# KiCad board IO-SDR_Rev_1.0.kicad_pcb (continued)
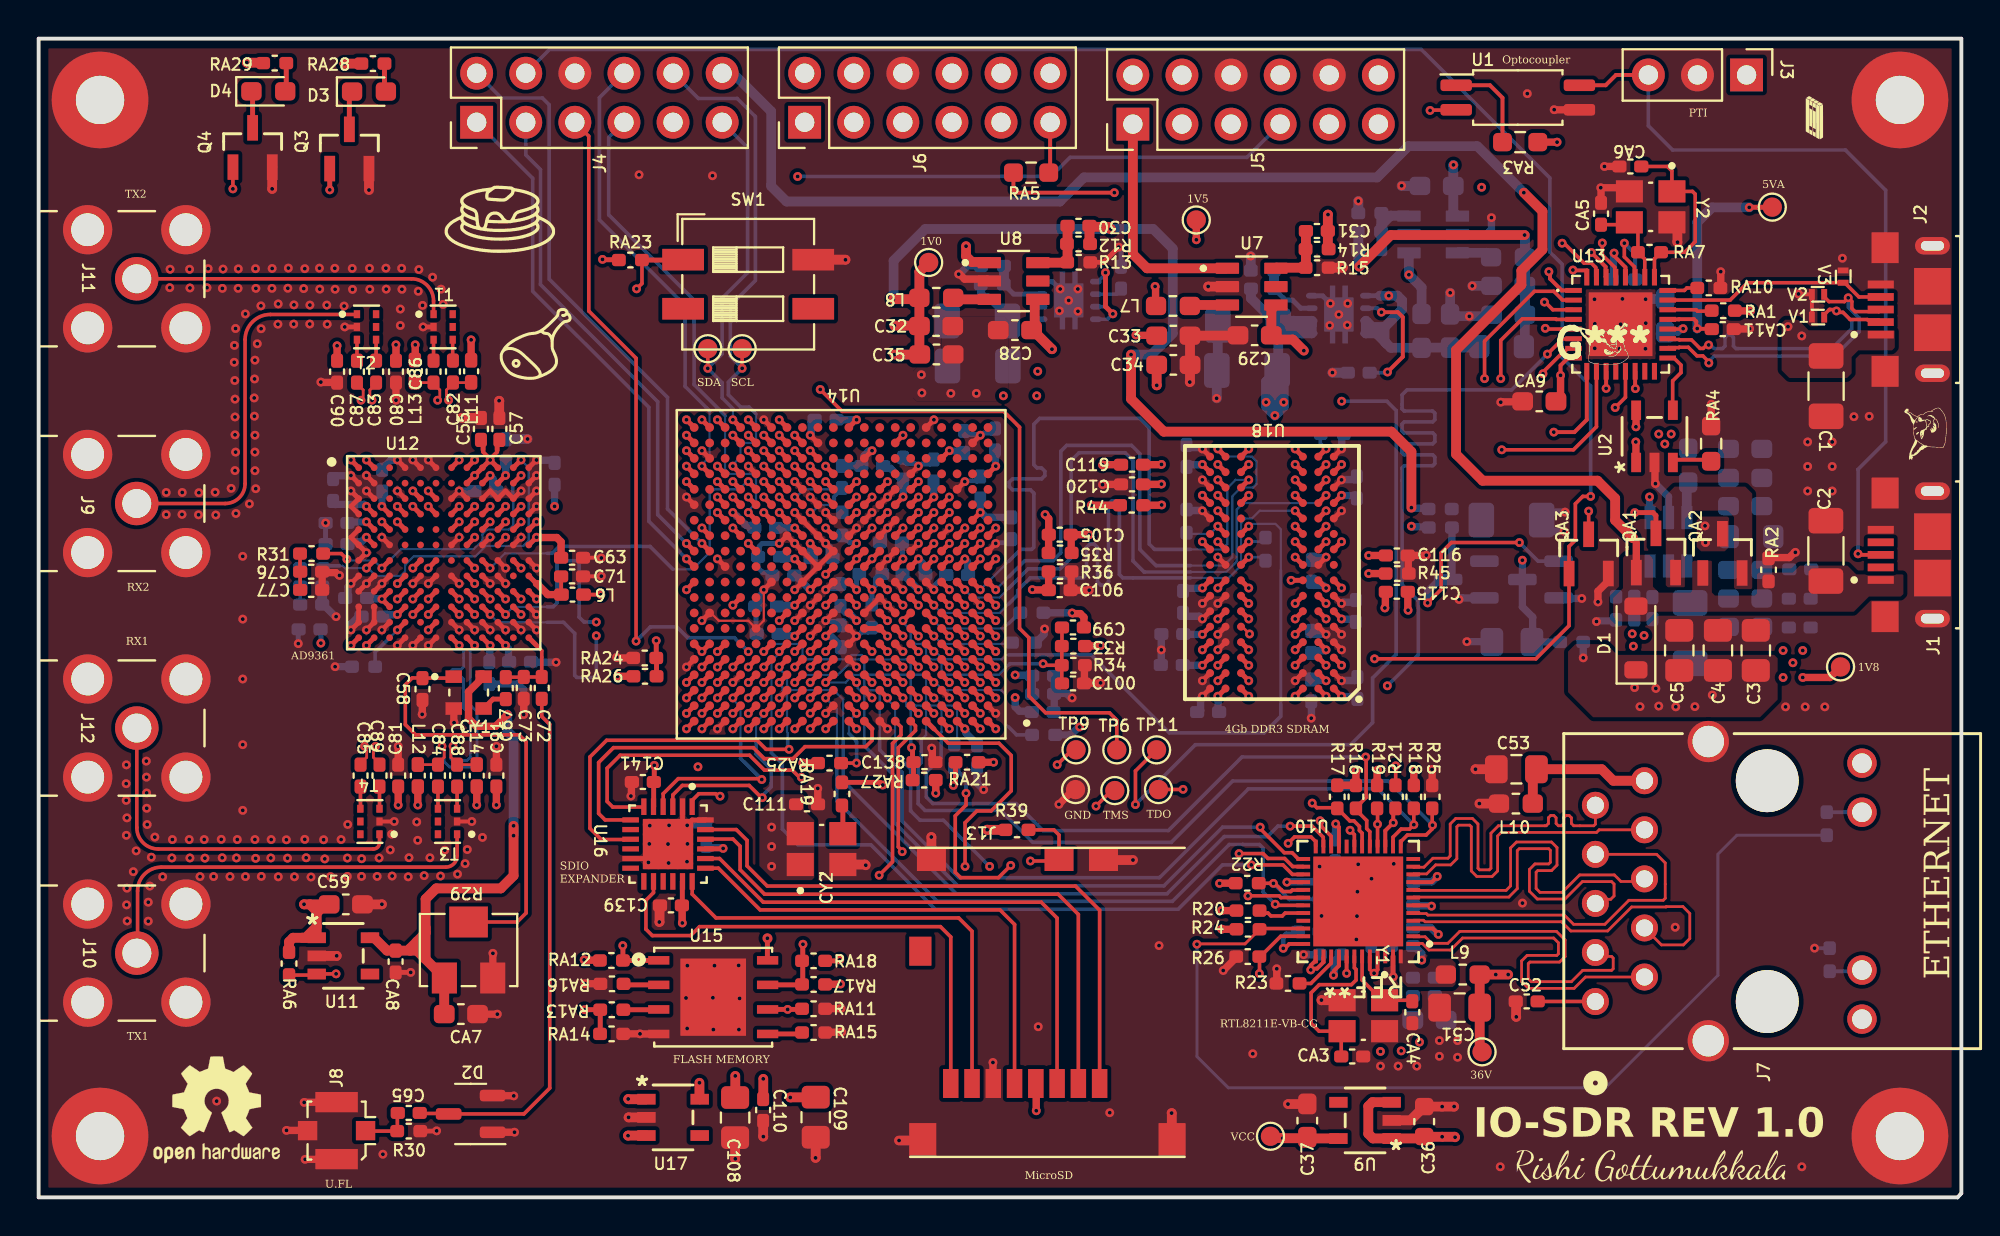
[diagram p0: board, top side]
## Routing (per net, layer and track width the routed paths; a pad name or vN(x,y) marks a point on that pad's centre or on a via; arc(x,y) is an arc through that point) (continued)
/XC7Z010/PS-DDR-CS: length 33.8
  Top.Cu w0.254: U14.N1 v1(49.51,34.65) ; U18.L2 v1(66.6,34.74)
  In5_Sig2.Cu w0.113: v1(49.51,34.65) 50.94,34.65 51.29,35 51.29,36.43 52.29,37.43 52.76,37.43 52.89,37.56 52.89,38.57 53.02,38.7 53.19,38.7 53.32,38.57 53.32,36.78 53.45,36.65 53.62,36.65 53.75,36.78 53.75,38.57 53.88,38.7 54.05,38.7 54.18,38.57 54.18,37.56 54.31,37.43 55.91,37.43 56.04,37.3 56.04,36.9 56.17,36.77 56.34,36.77 56.47,36.9 56.47,37.3 56.6,37.43 58.79,37.43 58.9,37.32 58.9,36.06 59.81,35.14 61.2,35.14 61.84,35.77 61.84,36.51 62.2,36.88 62.2,38.11 62.43,38.34 63.45,38.34 63.57,38.21 63.57,36.77 64.4,35.94 65.4,35.94 v1(66.6,34.74)
/XC7Z010/PS-DDR-ODT: length 35.8
  Top.Cu w0.254: U14.N5 v1(46.31,34.65) ; U18.K1 v1(67.4,33.94)
  In2_Sig1.Cu w0.113: v1(67.4,33.94) 67.31,33.94 66.92,33.54 66.43,33.54 66.14,33.84 66.14,38.77 66.07,38.83 65.62,38.83 65.55,38.77 65.55,36.92 65.37,36.74 59.86,36.74 59.58,37.02 59.58,39.15 59.25,39.48 49.35,39.48 48.91,39.05 48.25,39.05 46.71,37.51 46.71,36.09 46.47,35.85 46.15,35.85 45.91,35.62 45.91,35.13 46.31,34.73 v1(46.31,34.65)
/XC7Z010/PS-DDR-RAS: length 36.9
  Top.Cu w0.254: v1(65,33.14) U18.J3 ; U14.P4 v1(47.11,35.45)
  In2_Sig1.Cu w0.113: v1(47.11,35.45) 47.45,35.45 47.84,35.85 50.59,35.85 51.53,36.79 53.51,36.79 53.84,36.46 53.84,35.34 53.97,35.22 54.91,35.22 55.01,35.32 55.01,36.13 55.64,36.77 57.37,36.77 57.47,36.66 57.47,34.44 57.58,34.34 58.06,34.34 58.13,34.42 58.13,34.89 58.29,35.04 58.64,35.04 58.79,34.89 58.79,34.47 58.92,34.34 61.42,34.34 61.49,34.27 61.49,33.19 61.59,33.08 62.05,33.08 62.15,33.19 62.15,34.21 62.27,34.34 62.93,34.34 63.09,34.49 63.09,35.57 63.19,35.67 63.44,35.67 63.52,35.6 63.52,33.85 63.39,33.72 63.15,33.72 63.09,33.65 63.09,33.03 63.15,32.97 63.86,32.97 63.92,33.03 63.92,35.41 63.99,35.47 64.26,35.47 64.35,35.38 64.35,33.21 64.41,33.14 v1(65,33.14)
/XC7Z010/PS-DDR-WE: length 36.6
  Top.Cu w0.254: U14.M5 v1(46.31,33.85) ; v1(65,34.74) U18.L3
  In2_Sig1.Cu w0.113: v1(65,34.74) 65.4,34.34 65.4,33.36 66.11,32.65 67.84,32.65 67.96,32.78 67.96,34.71 68.12,34.86 69.36,34.86 69.46,34.76 69.46,31.81 69.16,31.51 68.22,31.51 67.58,32.14 65.42,32.14 64.82,32.74 56.73,32.74 56.11,33.36 50.71,33.36 49.83,34.25 46.71,34.25 v1(46.31,33.85)
/XC7Z010/XTAL111: length 1.5
  Top.Cu w0.254: CY2.3 41.6,20.24 RA19.2
CD: length 24.3
  Top.Cu w0.186: R39.2 52.52,19.02 52.78,18.76 J13.DS 52.73,17.41 v1(51.3,17.41)
  Top.Cu w0.254: v1(38.31,25.05) U14.B14
  In5_Sig2.Cu w0.113: v1(38.31,25.05) 38.31,24.97 37.91,24.57 37.91,20.89 37.91,20.89 37.91,20.8 39.61,19.1 45.05,19.1 46,18.14 50.57,18.14 v1(51.3,17.41)
CTRL_IN0: length 33.5
  Top.Cu w0.254: v1(19.35,36.57) U12.C5 ; v1(35.91,27.45) U14.E17
  In5_Sig2.Cu w0.113: v1(35.91,27.45) 35.51,27.05 35.51,26.69 35.51,26.69 35.51,26.49 35.27,26.25 34.95,26.25 34.71,26.01 34.71,25.69 34.48,25.45 34.27,25.45 34.27,25.45 33,25.45 32.51,24.96 27.6,24.96 26.36,26.2 19.63,26.2 17.36,28.47 17.36,29.53 17.12,29.77 16.79,29.77 16.56,30 16.56,35.13 16.79,35.37 17.12,35.37 17.36,35.61 17.36,35.93 17.59,36.17 18.87,36.17 19.27,36.57 v1(19.35,36.57)
CTRL_IN1: length 30.5
  Top.Cu w0.254: v1(35.11,26.65) U14.D18 ; v1(20.15,36.57) U12.C6
  In5_Sig2.Cu w0.113: v1(20.15,36.57) 20.07,36.57 19.67,36.17 19.19,36.17 18.96,35.93 18.96,35.61 18.72,35.37 18.39,35.37 18.16,35.13 18.16,34.81 17.92,34.57 17.59,34.57 17.36,34.33 17.36,30 17.59,29.77 17.92,29.77 18.16,29.53 18.16,28.23 18.43,27.95 19.83,26.56 26.43,26.56 27.62,25.36 32.23,25.36 33.11,26.25 34.63,26.25 35.03,26.65 v1(35.11,26.65)
CTRL_IN2: length 27.3
  Top.Cu w0.254: v1(35.11,27.45) U14.E18 ; v1(20.15,35.77) U12.D6
  In5_Sig2.Cu w0.113: v1(20.15,35.77) 20.55,35.37 20.55,33.53 19.76,32.73 19.76,31.61 19.52,31.37 19.19,31.37 18.96,31.13 18.96,30 19.19,29.77 19.52,29.77 19.76,29.53 19.76,28.26 20.39,27.62 26.16,27.62 26.65,27.14 26.67,27.14 27.7,26.1 31.59,26.1 33.34,27.85 34.71,27.85 v1(35.11,27.45)
CTRL_IN3: length 26.9
  Top.Cu w0.254: v1(34.31,27.45) U14.E19 ; v1(19.35,35.77) U12.D5
  In5_Sig2.Cu w0.113: v1(19.35,35.77) 19.35,35.69 18.96,35.29 18.96,34.81 18.72,34.57 18.39,34.57 18.16,34.33 18.16,30 18.39,29.77 18.72,29.77 18.96,29.53 18.96,28.22 20.33,26.85 26.55,26.85 27.61,25.78 32.04,25.78 33.3,27.05 33.84,27.05 34.24,27.45 v1(34.31,27.45)
DONE: length 80
  Top.Cu w0.186: v1(40.43,41.82) 41.57,40.69 49.92,40.69 50.74,39.87 50.74,29.45 51.22,28.97 51.22,25.95 52.09,25.08 55.39,25.08 55.77,24.7 TP6.1 55.7,23.17 ; Q4.1 10.05,53.32 v1(10.05,52.2)
  Top.Cu w0.254: v1(40.71,36.25) U14.R11
  In2_Sig1.Cu w0.113: v1(40.71,36.25) 40.31,36.65 40.31,37.21 40.07,37.45 39.75,37.45 39.51,37.69 39.51,41.32 36.95,43.88 31.3,43.88 21.86,53.32 11.22,53.32 10.1,52.2 v1(10.05,52.2)
  In5_Sig2.Cu w0.113: v1(40.71,36.25) 40.71,36.31 40.31,36.71 40.31,41.51 40.38,41.58 40.38,41.77 v1(40.43,41.82)
ETH_RXCTL: length 47.7
  Top.Cu w0.186: U10.13 70.46,18.42 70.49,18.44 70.49,18.44 70.81,18.76 71.77,18.76 72.09,19.07 R25.2
  Top.Cu w0.254: v1(39.11,26.65) U14.D13
  Bottom.Cu w0.113: 45.66,23.69 45.91,23.93 45.91,25.22 45.67,25.45 45.35,25.45 45.11,25.69 45.11,26.82 44.87,27.05 42.95,27.05 42.71,27.29 42.71,27.61 42.48,27.85 42.15,27.85 41.35,27.05 39.59,27.05 39.19,26.65 v1(39.11,26.65)
  Bottom.Cu w0.186: v1(72.1,19.27) 69.82,21.55 61.77,21.55 58.59,18.38 51.43,18.38 49.78,20.03 45.85,20.03 45.5,20.38 45.5,22.35 45.66,22.5 45.66,23.68 45.66,23.69
EXT_CLK_EN: length 135
  Top.Cu w0.186: RA6.2 14.33,11.51 U11.3 14.39,11.57 v1(15.39,11.57)
  In5_Sig2.Cu w0.113: 13.63,51.96 13.63,54.98 15.54,56.88 36.85,56.88 37.33,56.4 37.33,54.78 v1(39.26,52.84)
  In5_Sig2.Cu w0.186: 13.63,51.96 13.63,50.56 14.35,49.84 20.94,49.84 21.96,48.82 21.96,44.62 21.02,43.68 16.78,43.68 15.95,44.51 14.47,44.51 13.11,43.14 13.11,30.59 12.31,29.79 12.31,22.53 13.62,21.22 23.77,21.22 24.31,20.68 24.31,19.99 23.71,19.39 23.71,17.37 22.12,15.78 16.8,15.78 16.09,15.07 16.09,12.27 v1(15.39,11.57)
  Bottom.Cu w0.186: v1(39.26,52.84) 52.37,52.84 53.36,53.84 62.5,53.84 J5.7
FPGA-REST: length 5.1
  Top.Cu w0.254: U14.C7 v1(44.71,25.85) ; v1(45.15,23.28) 45.2,23.23 45.2,22.58 C138.1 45.26,21.64 RA27.2
  Bottom.Cu w0.113: 45.11,23.69 45.11,25.21 44.88,25.44 44.88,25.61 44.71,25.78 v1(44.71,25.85)
  Bottom.Cu w0.186: v1(45.15,23.28) 45.11,23.32 45.11,23.69
IO_02_34_AD9361_CLKOUT: length 18.8
  Top.Cu w0.254: v1(35.91,34.65) U14.N17 ; v1(20.15,30.97) U12.J6
  In5_Sig2.Cu w0.113: v1(35.91,34.65) 35.51,34.25 28.46,34.25 27.2,32.98 21.6,32.98 21.08,32.46 21.08,31.81 20.24,30.97 v1(20.15,30.97)
IO_02_34_AD9361_RST: length 19.8
  Top.Cu w0.254: v1(35.11,35.45) U14.P18 ; v1(19.35,30.17) U12.K5
  In5_Sig2.Cu w0.113: v1(35.11,35.45) 34.71,35.05 33.83,35.05 33.66,34.88 28.46,34.88 26.88,33.3 21.61,33.3 20.85,32.55 20.85,31.9 20.32,31.37 19.99,31.37 19.75,31.13 19.75,30.57 v1(19.35,30.17)
IO_L01_34_FB_CLK: length 17.1
  Top.Cu w0.254: v1(37.51,35.45) U14.P15 ; U12.F10 v1(24.15,34.17)
  In5_Sig2.Cu w0.113: v1(37.51,35.45) 37.45,35.51 37.24,35.51 36.9,35.85 36.55,35.85 36.31,36.09 36.31,36.41 36.07,36.65 35.75,36.65 35.51,36.89 35.51,37.21 35.28,37.45 34.47,37.45 33.68,36.65 28.51,36.65 27.01,35.15 26.56,35.15 25.98,34.57 24.56,34.57 v1(24.15,34.17)
IO_L01_34_RX_D0: length 29.4
  Top.Cu w0.254: v1(39.11,38.65) U14.V13 ; U12.K11 v1(24.95,30.17)
  In2_Sig1.Cu w0.113: v1(39.11,38.65) 39.11,38.57 38.71,38.17 38.71,36.89 38.47,36.65 38.15,36.65 37.91,36.41 37.91,36.09 37.67,35.85 37.35,35.85 37.11,35.61 37.11,35.29 36,34.18 35.68,34.18 34.4,32.9 34.4,32.76 34.71,32.45 34.71,32.31 34.5,32.1 34.36,32.1 33.81,32.65 33.67,32.65 33.46,32.44 33.46,32.3 33.56,32.2 33.56,32.06 33.11,31.62 33.11,30.85 32.66,30.39 28.44,30.39 28.24,30.19 28.24,29.22 28.13,29.12 26.13,29.12 25.98,28.97 23.99,28.97 23.76,29.2 23.76,29.54 23.99,29.77 26.02,29.77 26.15,29.91 26.15,30.39 25.98,30.57 25.03,30.57 24.96,30.5 24.96,30.17 v1(24.95,30.17)
IO_L01_34_RX_D1: length 29.7
  Top.Cu w0.254: 25.35,31.37 v1(25.75,30.97) ; v1(38.31,37.05) U14.T14
  In2_Sig1.Cu w0.113: v1(38.31,37.05) 38.23,37.05 37.83,36.65 37.35,36.65 37.11,36.41 37.11,36.09 36.88,35.85 36.72,35.85 36.71,35.85 35.75,35.85 35.51,35.61 35.51,35.29 35.27,35.05 34.95,35.05 34.71,34.81 34.71,33.61 34.49,33.39 34.05,33.39 33.91,33.53 33.91,34.09 33.75,34.25 33.35,34.25 33.11,34.02 33.11,33.25 33.05,33.19 32.56,33.19 32.45,33.08 32.45,32.81 32.56,32.7 32.96,32.7 33.06,32.6 33.06,32.09 32.65,31.68 32.52,31.68 32.39,31.55 32.39,31.2 32.26,31.07 32.09,31.07 31.96,31.2 31.96,31.97 31.83,32.1 31.66,32.1 31.53,31.97 31.53,30.81 31.4,30.68 31.22,30.68 31.1,30.81 31.1,31.91 30.97,32.04 30.79,32.04 30.66,31.91 30.66,30.81 30.53,30.68 30.36,30.68 30.23,30.81 30.23,31.91 30.1,32.04 29.93,32.04 29.8,31.91 29.8,31.8 29.67,31.68 28.67,31.68 28.57,31.57 28.57,31.07 28.46,30.97 27.98,30.97 27.85,31.1 27.85,31.31 27.72,31.44 27.55,31.44 27.42,31.31 27.42,30.1 27.29,29.97 27.12,29.97 26.99,30.1 26.99,30.84 26.86,30.97 v1(25.75,30.97)
IO_L02_34_RX_D2: length 26.6
  Top.Cu w0.254: U12.K10 v1(24.15,30.17) ; v1(39.11,37.85) U14.U13
  In2_Sig1.Cu w0.113: v1(39.11,37.85) 39.11,37.77 39.51,37.37 39.51,36.89 39.28,36.65 38.84,36.65 38.71,36.52 38.71,36.09 38.47,35.85 38.15,35.85 37.91,35.61 37.91,35.29 37.53,34.91 37.2,34.91 36.21,33.92 36.21,33.49 32.78,30.06 29.69,30.06 29.41,29.78 v1(28.85,29.78)
  Bottom.Cu w0.113: v1(24.15,30.17) 24.55,30.57 26.31,30.57
  Bottom.Cu w0.186: v1(28.85,29.78) 28.21,29.78 27.96,30.04 27.96,32.85 27.85,32.96 26.92,32.96 26.82,32.85 26.82,30.77 26.61,30.57 26.31,30.57
IO_L02_34_RX_D3: length 28.3
  Top.Cu w0.254: v1(39.91,37.85) U14.U12 ; U12.J11 v1(24.95,30.97)
  In5_Sig2.Cu w0.113: v1(39.91,37.85) 39.51,37.45 39.51,36.09 39.27,35.85 38.95,35.85 38.71,35.61 38.71,35.29 37.33,33.91 37.33,33.59 36.87,33.12 36.87,32.98 36.98,32.87 36.98,32.73 36.77,32.52 36.64,32.52 36.52,32.64 36.38,32.64 36.17,32.43 36.17,32.29 36.29,32.17 36.29,32.03 36.08,31.82 35.94,31.82 35.58,32.18 35.44,32.18 35.23,31.97 35.23,31.83 35.59,31.47 35.59,31.33 35.38,31.12 35.24,31.12 34.18,32.18 34.04,32.18 33.83,31.97 33.83,31.83 34.63,31.03 34.63,30.89 34.59,30.85 33.72,30.85 33.45,30.57 28.37,30.57 28.26,30.46 28.26,29.41 28.15,29.3 27.81,29.3 27.7,29.41 27.7,30.97 27.59,31.08 27.25,31.08 27.14,30.97 27.14,30.68 27.03,30.57 25.35,30.57 v1(24.95,30.97)
IO_L03_34_RX_D4: length 26.2
  Top.Cu w0.254: U12.K9 v1(23.35,30.17) ; v1(39.91,37.05) U14.T12
  In2_Sig1.Cu w0.113: v1(39.91,37.05) 39.91,36.97 39.51,36.57 39.51,36.09 39.27,35.85 38.95,35.85 38.71,35.61 38.71,35.29 36.76,33.34 36.44,33.34 32.78,29.68 29.91,29.68 29.33,29.1 28.87,29.1 v1(28.85,29.07)
  Bottom.Cu w0.113: v1(23.35,30.17) 23.76,29.77 26.31,29.77
  Bottom.Cu w0.186: 26.31,29.77 27.15,29.77 27.73,29.19 27.73,27.02 27.84,26.91 28.74,26.91 28.85,27.02 v1(28.85,29.07)
IO_L03_34_RX_D5: length 28.2
  Top.Cu w0.254: U12.J10 v1(24.15,30.97) ; U14.T10 v1(42.31,37.05)
  In5_Sig2.Cu w0.113: v1(42.31,37.05) 42.23,37.05 41.03,35.85 39.75,35.85 39.51,35.61 39.51,35.29 39.27,35.05 38.95,35.05 37.84,33.94 37.84,33.26 34.82,30.24 34.82,29.58 34.56,29.32 30.24,29.32 29.2,28.28 29.2,27.65 29.1,27.55 27.71,27.55 27.6,27.65 27.6,28.33 27.45,28.49 26.61,28.49 26.1,27.98 24.86,27.98 24.55,28.29 24.55,30.57 v1(24.15,30.97)
IO_L04_34_RX_D6: length 28.7
  Top.Cu w0.254: 22.15,30.57 v1(22.55,30.17) ; v1(40.71,37.05) U14.T11
  In2_Sig1.Cu w0.113: v1(22.55,30.17) 22.95,29.77 22.95,29.21 23.19,28.97 23.52,28.97 23.75,28.73 23.75,28.41 23.99,28.17 26.04,28.17 26.46,28.59 29.41,28.59 30.12,29.3 32.77,29.3 34.85,31.38 36.12,31.38 36.33,31.59 36.33,31.73 35.9,32.17 35.9,32.31 36.11,32.52 36.25,32.52 36.68,32.08 36.82,32.08 37.03,32.29 37.03,32.43 36.67,32.79 36.67,32.93 36.88,33.14 37.02,33.14 37.38,32.78 37.52,32.78 37.86,33.12 37.86,33.97 38.95,35.05 40.07,35.05 40.31,35.29 40.31,35.61 40.55,35.85 40.87,35.85 41.11,36.09 41.11,36.65 v1(40.71,37.05)
IO_L04_34_RX_D7: length 29.5
  Top.Cu w0.254: U12.J9 v1(23.35,30.97) ; v1(37.51,37.05) U14.T15
  In2_Sig1.Cu w0.113: 35.51,36.09 35.51,36.41 ; 35.51,36.09 35.27,35.85 34.95,35.85 34.71,35.61 34.71,35.29 34.47,35.05 33.83,35.05 32.37,33.59 32.27,33.59 32.14,33.46 32.14,32.52 32.01,32.39 31.84,32.39 31.71,32.52 31.71,33.58 31.58,33.71 31.41,33.71 31.28,33.58 31.28,32.46 31.15,32.33 30.98,32.33 30.85,32.46 30.85,33.58 30.72,33.71 30.55,33.71 30.42,33.58 30.42,32.46 30.29,32.33 30.12,32.33 29.99,32.46 29.99,33.46 29.86,33.59 28.92,33.59 28.47,33.14 28.47,32.96 28.76,32.67 28.76,32.49 28.64,32.36 28.45,32.36 28.05,32.76 27.87,32.76 27.75,32.64 27.75,32.46 28.17,32.04 28.17,31.85 28.05,31.73 27.87,31.73 27.56,32.04 27.37,32.04 26.7,31.37 24.69,31.37 24.55,31.23 24.55,30.72 24.4,30.57 23.02,30.57 22.95,30.64 22.95,30.83 23.06,30.93 23.31,30.93 v1(23.35,30.97) ; 35.51,36.09 35.51,36.41 ; 35.51,36.41 35.75,36.65 37.03,36.65 37.43,37.05 v1(37.51,37.05)
IO_L4N_TO_35: length 34.9
  Top.Cu w0.254: v1(33.51,26.65) U14.D20
  In2_Sig1.Cu w0.113: J6.3 42.16,51.3 40.84,49.97 40.84,47.28 41.79,46.33 41.79,35.1 41.36,34.67 41.36,33.86 39.95,32.45 39.13,32.45 35.73,29.05 35.73,28.31 35.28,27.85 34.95,27.85 34.71,27.62 34.71,27.29 34.47,27.05 33.99,27.05 33.59,26.65 v1(33.51,26.65)
IO_L4P_TO_35: length 37.5
  Top.Cu w0.254: v1(34.31,26.65) U14.D19
  In2_Sig1.Cu w0.113: v1(34.31,26.65) 34.39,26.65 34.79,27.05 35.27,27.05 35.51,27.29 35.51,27.62 36.08,28.19 36.08,28.99 39.21,32.12 40.01,32.12 41.65,33.75 41.65,34.55 42.15,35.05 42.47,35.05 42.71,35.29 42.71,39.55 43.5,40.35 43.5,56.85 J6.4
IO_L05_34_RX_D8: length 29.8
  Top.Cu w0.254: v1(39.91,38.65) U14.V12 ; 21.35,30.57 v1(21.75,30.17)
  In2_Sig1.Cu w0.113: v1(21.75,30.17) 21.75,30.08 22.15,29.68 22.15,29.21 22.39,28.97 22.72,28.97 22.95,28.73 22.95,28.41 23.56,27.8 26.18,27.8 26.61,28.23 29.5,28.23 29.7,28.43 30.29,28.43 30.39,28.34 32.2,28.34 34.97,31.1 36.16,31.1 38.71,33.65 38.71,34.02 38.95,34.25 39.31,34.25 39.88,34.82 40.31,34.82 40.55,35.05 40.88,35.05 41.33,35.51 41.33,37.79 40.82,38.3 40.26,38.3 v1(39.91,38.65)
IO_L05_34_RX_D9: length 29.5
  Top.Cu w0.254: 22.15,31.37 v1(22.55,30.97) ; v1(39.11,39.45) U14.W13
  In2_Sig1.Cu w0.113: v1(39.11,39.45) 38.71,39.05 37.28,39.05 37.11,38.88 37.11,38.49 37.35,38.25 37.78,38.25 37.91,38.12 37.91,37.57 37.79,37.45 35.75,37.45 35.51,37.21 35.51,36.89 35.27,36.65 34.95,36.65 32.3,34 28.7,34 26.86,32.17 25.58,32.17 25.36,31.95 24.89,31.95 24.32,31.37 22.22,31.37 22.16,31.43 22.16,31.93 21.77,32.32 20.77,32.32 20.62,32.17 20.62,31.6 21.25,30.96 21.25,30.72 21.41,30.57 22.49,30.57 22.55,30.64 v1(22.55,30.97)
IO_L06_34_RX_D10: length 27.6
  Top.Cu w0.254: 21.35,31.37 v1(21.75,30.97) ; v1(38.31,35.45) U14.P14
  In5_Sig2.Cu w0.113: v1(21.75,30.97) 22.16,31.37 27.65,31.37 27.96,31.68 29.85,31.68 29.96,31.79 29.96,32.83 30.07,32.95 30.41,32.95 30.52,32.83 30.52,30.97 30.63,30.86 30.97,30.86 31.08,30.97 31.08,32.83 31.19,32.95 31.52,32.95 31.64,32.83 31.64,30.97 31.75,30.86 32.08,30.86 32.19,30.97 32.19,31.56 32.31,31.68 32.89,31.68 33.69,32.47 35.9,32.47 37.11,33.69 37.11,34.17 38.31,35.37 v1(38.31,35.45)
IO_L06_34_RX_D11: length 27.5
  Top.Cu w0.254: 22.15,32.17 v1(22.55,31.77) ; v1(38.31,36.25) U14.R14
  In5_Sig2.Cu w0.113: v1(22.55,31.77) 22.96,32.17 27.22,32.17 28.72,33.67 32,33.67 32.1,33.56 32.1,32.27 32.28,32.09 32.76,32.09 33.04,32.37 33.04,33.31 33.18,33.45 33.91,33.45 34.05,33.31 34.05,32.82 34.12,32.75 34.54,32.75 34.64,32.86 34.64,33.57 35.02,33.95 35.39,33.95 35.55,33.78 35.55,32.95 35.62,32.88 35.93,32.88 36.19,33.13 36.19,34.15 36.32,34.29 36.32,34.79 36.58,35.05 37.67,35.05 37.91,35.29 37.91,35.62 37.68,35.85 37.28,35.85 37.11,36.02 37.11,36.57 37.19,36.65 38.24,36.65 38.31,36.58 38.31,36.26 v1(38.31,36.25)
IO_L07_34_RX_FRAME: length 24.2
  Top.Cu w0.254: v1(36.71,40.25) U14.Y16 ; 22.15,32.97 v1(22.55,32.57)
  In2_Sig1.Cu w0.113: v1(36.71,40.25) 36.68,40.28 36.68,40.56 35.88,41.36 25.7,41.36 22.96,38.62 22.96,38.01 22.72,37.77 22.39,37.77 22.15,37.53 22.15,37.21 21.92,36.97 21.59,36.97 21.36,36.73 21.36,34 21.38,33.98 21.38,33.74 v1(22.55,32.57)
IO_L7N: length 25.8
  Top.Cu w0.254: v1(33.51,33.85) U14.M20
  Bottom.Cu w0.186: v1(33.51,33.85) 32.02,35.34 32.02,41.19 25.96,47.25 25.96,53.2 25.2,53.96 J4.3
IO_L7P: length 31
  Top.Cu w0.254: v1(34.31,33.85) U14.M19
  Bottom.Cu w0.186: J4.2 23.94,56.91 26.05,56.91 26.41,56.55 26.41,47.53 32.53,41.41 32.53,35.63 v1(34.31,33.85)
IO_L08_34_CTRL_OUT0: length 27.9
  Top.Cu w0.254: v1(38.31,39.45) U14.W14 ; v1(18.55,35.77) U12.D4
  In2_Sig1.Cu w0.113: v1(18.55,35.77) 18.96,36.17 20.35,36.17 20.62,36.44 20.62,38.09 22.75,40.22 22.75,41.21 24.33,42.79 32.51,42.79 32.86,42.43 36.69,42.43 38.71,40.42 38.71,39.85 v1(38.31,39.45)
IO_L08_34_CTRL_OUT1: length 25.8
  Top.Cu w0.254: v1(38.31,40.25) U14.Y14 ; v1(18.55,34.97) U12.E4
  In2_Sig1.Cu w0.113: v1(38.31,40.25) 37.71,40.86 36.56,42 25.29,42 23.79,40.5 23.44,40.5 20.87,37.93 20.87,35.78 20.47,35.37 19.03,35.37 18.63,34.97 v1(18.55,34.97)
IO_L09_34_TX_FRAME: length 19.1
  Top.Cu w0.254: U12.G9 v1(23.35,32.57) ; v1(36.71,37.05) U14.T16
  Bottom.Cu w0.113: v1(23.35,32.57) 24.12,33.34 26.31,33.34 ; v1(36.71,37.05) 36.63,37.05 36.23,36.65 35.74,36.65 35.74,36.65 34.95,36.65 34.71,36.42 34.71,33.39 33.84,32.51 32.81,32.51
  Bottom.Cu w0.186: 32.81,32.51 31.63,33.69 26.92,33.69 26.56,33.34 26.31,33.34
IO_L9N: length 27.7
  Top.Cu w0.254: v1(33.51,33.05) U14.L20
  Bottom.Cu w0.186: J4.1 25.56,52.75 25.56,46.9 31.57,40.89 31.57,35 v1(33.51,33.05)
IO_L10_34_EN_AGC: length 26.4
  Top.Cu w0.254: v1(19.35,32.57) U12.G5 ; v1(37.51,39.45) U14.W15
  In2_Sig1.Cu w0.113: v1(37.51,39.45) 37.11,39.85 37.11,40.7 36.15,41.65 25.48,41.65 22.15,38.33 22.15,38 21.92,37.77 21.59,37.77 21.13,37.3 21.13,34.34 v1(19.35,32.57)
IO_L10P: length 19.5
  Top.Cu w0.254: v1(37.51,38.65) U14.V15
  In5_Sig2.Cu w0.113: J4.9 32.82,49.33 37.11,45.04 37.11,39.14 37.51,38.74 v1(37.51,38.65)
IO_L11_34_ENABLE: length 22
  Top.Cu w0.254: v1(20.15,32.57) U12.G6 ; v1(37.51,37.85) U14.U15
  In2_Sig1.Cu w0.113: v1(37.51,37.85) 37.43,37.85 37.03,38.25 35.75,38.25 35.51,38.01 35.51,37.69 35.27,37.45 34.89,37.45 34.23,36.79 34.23,36.41 32.11,34.29 28.38,34.29 27.09,33.01 25.6,33.01 25.36,32.77 25.36,32.41 25.12,32.17 22.32,32.17 21.92,32.57 v1(20.15,32.57)
IO_L11_34_TXNRX: length 29.4
  Top.Cu w0.254: v1(38.31,37.85) U14.U14 ; v1(18.55,31.77) U12.H4
  In5_Sig2.Cu w0.113: v1(18.55,31.77) 18.96,32.17 18.96,33.21 19.75,34 19.75,35.93 19.99,36.17 21.92,36.17 22.96,37.21 22.96,37.53 23.19,37.77 23.71,37.77 24.55,38.62 24.55,40.12 25.42,40.98 34.94,40.98 35.51,40.42 35.51,40.09 35.75,39.85 36.07,39.85 36.31,39.62 36.31,39.29 36.55,39.05 36.87,39.05 37.11,38.82 37.11,38.49 37.35,38.25 37.91,38.25 v1(38.31,37.85)
IO_L12_MRCC_34_DATA_CLK: length 13.9
  Top.Cu w0.254: U12.G11 v1(24.95,32.57) ; v1(35.11,37.85) U14.U18
  In2_Sig1.Cu w0.113: v1(35.11,37.85) 35.02,37.85 34.84,37.68 34.7,37.68 33.67,36.65 33.35,36.65 33.11,36.42 33.11,36.09 31.6,34.58 28.06,34.58 26.8,33.32 25.22,33.32 24.95,33.05 v1(24.95,32.57)
IO_L12N: length 24
  Top.Cu w0.254: v1(34.31,37.85) U14.U19
  Bottom.Cu w0.113: v1(34.31,37.85) 34.31,37.94 34.71,38.33 34.71,40.71
  Bottom.Cu w0.186: 34.71,40.71 34.56,40.86 33.44,41.98 33.44,46.17 29.01,50.6 29.01,56.92 J4.8
IO_L15_34_TX_D0: length 18.5
  Top.Cu w0.254: v1(33.51,37.05) U14.T20 ; 25.35,34.57 v1(25.75,34.97)
  In5_Sig2.Cu w0.113: v1(33.51,37.05) 32.81,37.05 32.63,37.23 32.63,38.11 32.4,38.34 31.27,38.34 31.14,38.21 31.14,37.62 31.01,37.49 30.84,37.49 30.71,37.62 30.71,38.23 30.58,38.36 30.41,38.36 30.28,38.23 30.28,37.62 30.15,37.49 29.98,37.49 29.85,37.62 29.85,38.23 29.72,38.36 29.55,38.36 29.42,38.23 29.42,37.62 29.29,37.49 29.12,37.49 28.99,37.62 28.99,38.21 28.86,38.34 28.11,38.34 25.94,36.17 24.72,36.17 24.56,36.01 24.56,35.44 24.63,35.37 25.68,35.37 25.75,35.3 25.75,34.97 v1(25.75,34.97)
IO_L15_34_TX_D1: length 20.9
  Top.Cu w0.254: v1(34.31,40.25) U14.Y19 ; U12.D11 v1(24.95,35.77)
  In2_Sig1.Cu w0.113: v1(34.31,40.25) 34.32,40.25 34.32,39.92 34.38,39.85 35.41,39.85 35.51,39.76 35.51,39.29 35.27,39.05 34.15,39.05 33.91,38.81 33.91,38.49 33.67,38.25 32.77,38.25 31.82,37.3 31.1,37.3 30.98,37.17 30.98,36.43 30.85,36.3 30.67,36.3 30.54,36.43 30.54,37.28 30.41,37.41 30.24,37.41 30.11,37.28 30.11,36.43 29.98,36.3 29.81,36.3 29.68,36.43 29.68,37.28 29.55,37.41 29.38,37.41 29.25,37.28 29.25,36.43 29.12,36.3 28.95,36.3 28.82,36.43 28.82,37.17 28.69,37.3 28.16,37.3 27.34,36.48 26.62,36.48 26.31,36.17 25.44,36.17 25.04,35.77 v1(24.95,35.77)
IO_L15P_T2: length 37.2
  Top.Cu w0.254: U14.F19 v1(34.31,28.25) U14.F20
  In2_Sig1.Cu w0.113: v1(34.31,28.25) 36.85,30.79 36.85,31.38 38.92,33.45 39.27,33.45 39.51,33.69 39.51,34.01 39.75,34.25 40.88,34.25 41.11,34.49 41.11,34.97 41.56,35.42 41.56,41.24 40.55,42.24 40.55,46.31 37.86,49 37.86,56.43 J6.2
IO_L16_34_TX_D2: length 20.3
  Top.Cu w0.254: U12.E11 v1(24.95,34.97) ; v1(33.51,37.85) U14.U20
  In2_Sig1.Cu w0.113: 24.96,34.97 24.96,35.31 24.89,35.37 24.62,35.37 24.55,35.31 24.55,34.01 24.79,33.77 25.92,33.77 26.15,34 26.15,34.96 26.38,35.19 27.31,35.19 27.44,35.32 27.44,36.08 27.57,36.21 27.74,36.21 27.87,36.08 27.87,35.31 28,35.18 28.17,35.18 28.3,35.31 28.3,35.98 28.43,36.11 28.6,36.11 28.73,35.98 28.73,35.31 28.86,35.18 29.03,35.18 29.16,35.31 29.16,35.89 29.29,36.02 29.47,36.02 29.59,35.89 29.59,35.31 29.72,35.18 29.9,35.18 30.03,35.31 30.03,35.89 30.16,36.02 30.33,36.02 30.46,35.89 30.46,35.49 30.59,35.36 30.77,35.36 33.21,37.8 33.46,37.8 v1(33.51,37.85)
IO_L16_34_TX_D3: length 20
  Top.Cu w0.254: U12.D10 v1(24.15,35.77) ; v1(33.51,38.65) U14.V20
  In2_Sig1.Cu w0.113: v1(24.15,35.77) 24.55,36.17 25.12,36.17 25.35,36.4 25.35,36.73 25.59,36.97 26.31,36.97 26.64,37.3 26.64,37.48 26.45,37.67 26.45,37.85 26.58,37.97 26.76,37.97 27.45,37.28 27.63,37.28 27.75,37.4 27.75,37.58 27.43,37.91 27.43,38.09 27.99,38.65 28.81,38.65 28.94,38.52 28.94,37.83 29.07,37.7 29.24,37.7 29.37,37.83 29.37,38.52 29.5,38.65 29.67,38.65 29.8,38.52 29.8,37.83 29.93,37.7 30.1,37.7 30.23,37.83 30.23,38.52 30.36,38.65 30.53,38.65 30.66,38.52 30.66,37.83 30.79,37.7 30.96,37.7 31.09,37.83 31.09,38.52 31.22,38.65 31.39,38.65 31.52,38.52 31.52,37.98 31.65,37.85 31.83,37.85 31.95,37.98 31.95,38.52 32.08,38.65 v1(33.51,38.65)
IO_L17_34_TX_D4: length 20.8
  Top.Cu w0.254: v1(33.51,39.45) U14.W20 ; U12.E10 v1(24.15,34.97)
  In2_Sig1.Cu w0.113: v1(33.51,39.45) 32.41,39.45 32.28,39.58 32.28,39.9 32.16,40.03 31.98,40.03 31.85,39.9 31.85,39.07 31.72,38.94 31.55,38.94 31.42,39.07 31.42,39.9 31.29,40.03 31.12,40.03 30.99,39.9 30.99,39.07 30.86,38.94 30.69,38.94 30.56,39.07 30.56,39.32 30.43,39.45 30.26,39.45 30.13,39.32 30.13,39.07 30,38.94 29.83,38.94 29.7,39.07 29.7,39.32 29.57,39.45 29.4,39.45 29.27,39.32 29.27,39.07 29.14,38.94 28.97,38.94 28.84,39.07 28.84,39.32 28.71,39.45 27.65,39.45 27.34,39.15 27.34,38.96 27.52,38.78 27.52,38.6 27.4,38.47 27.22,38.47 26.51,39.18 26.33,39.18 26.21,39.06 26.21,38.88 26.55,38.54 26.55,38.35 25.97,37.77 25.59,37.77 25.35,37.53 25.35,37.21 25.12,36.97 24.79,36.97 23.76,35.93 23.76,35.37 v1(24.15,34.97)
IO_L17_34_TX_D5: length 20.7
  Top.Cu w0.254: U12.D9 v1(23.35,35.77) ; v1(35.11,40.25) U14.Y18
  In2_Sig1.Cu w0.113: v1(23.35,35.77) 23.41,35.82 23.41,36.05 24.55,37.2 24.55,37.53 24.79,37.77 25.12,37.77 25.36,38.01 25.36,38.33 25.82,38.8 25.82,39.99 26.15,40.32 27.39,40.32 27.52,40.19 27.52,39.87 27.64,39.74 27.82,39.74 27.95,39.87 27.95,40.35 28.08,40.48 28.25,40.48 28.38,40.35 28.38,39.87 28.51,39.74 28.68,39.74 28.81,39.87 28.81,40.35 28.94,40.48 29.11,40.48 29.24,40.35 29.24,39.87 29.37,39.74 29.54,39.74 29.67,39.87 29.67,40.35 29.8,40.48 29.97,40.48 30.1,40.35 30.1,39.87 30.23,39.74 30.4,39.74 30.53,39.87 30.53,40.19 30.66,40.32 32.05,40.32 32.37,40.65 34.71,40.65 v1(35.11,40.25)
IO_L18_34_TX_D6: length 20.2
  Top.Cu w0.254: U12.E9 v1(23.35,34.97) ; v1(36.71,39.45) U14.W16
  In2_Sig1.Cu w0.113: v1(23.35,34.97) 23.35,35.05 22.96,35.45 22.96,36.34 23.75,37.13 23.75,37.89 24.17,38.32 24.17,39.03 26.16,41.01 35.76,41.01 36.31,40.46 36.31,39.85 v1(36.71,39.45)
IO_L18_34_TX_D7: length 20
  Top.Cu w0.254: v1(36.71,38.65) U14.V16 ; 22.15,35.37 v1(22.55,35.77)
  In2_Sig1.Cu w0.113: v1(22.55,35.77) 22.55,35.53 22.95,35.13 22.95,34.01 23.42,33.55 26.19,33.55 27.53,34.89 30.78,34.89 32.81,36.91 33.35,37.45 33.68,37.45 33.91,37.69 33.91,38.02 34.15,38.25 35.28,38.25 35.51,38.49 35.51,38.81 35.75,39.05 36.64,39.05 36.71,38.98 36.71,38.66 v1(36.71,38.65)
IO_L19_34_TX_D8: length 19.5
  Top.Cu w0.254: v1(35.91,36.25) U14.R17 ; 22.15,34.57 v1(22.55,34.97)
  In5_Sig2.Cu w0.113: v1(22.55,34.97) 22.95,34.57 22.95,34.01 23.19,33.77 25.92,33.77 26.78,34.63 27.09,34.63 28.75,36.28 29.54,36.28 29.67,36.15 29.67,35.98 29.8,35.85 29.98,35.85 30.11,35.98 30.11,36.23 30.23,36.36 30.41,36.36 30.54,36.23 30.54,35.98 30.67,35.85 30.84,35.85 30.97,35.98 30.97,36.23 31.1,36.36 31.27,36.36 31.4,36.23 31.4,35.98 31.53,35.85 31.7,35.85 31.83,35.98 31.83,36.15 31.96,36.28 32.99,36.28 33.06,36.21 33.06,35.76 33.15,35.67 33.5,35.67 34.47,36.65 35.43,36.65 35.83,36.25 v1(35.91,36.25)
